# Altium PCB RX_test_01.PcbDoc (part 2 of 3) (continued)
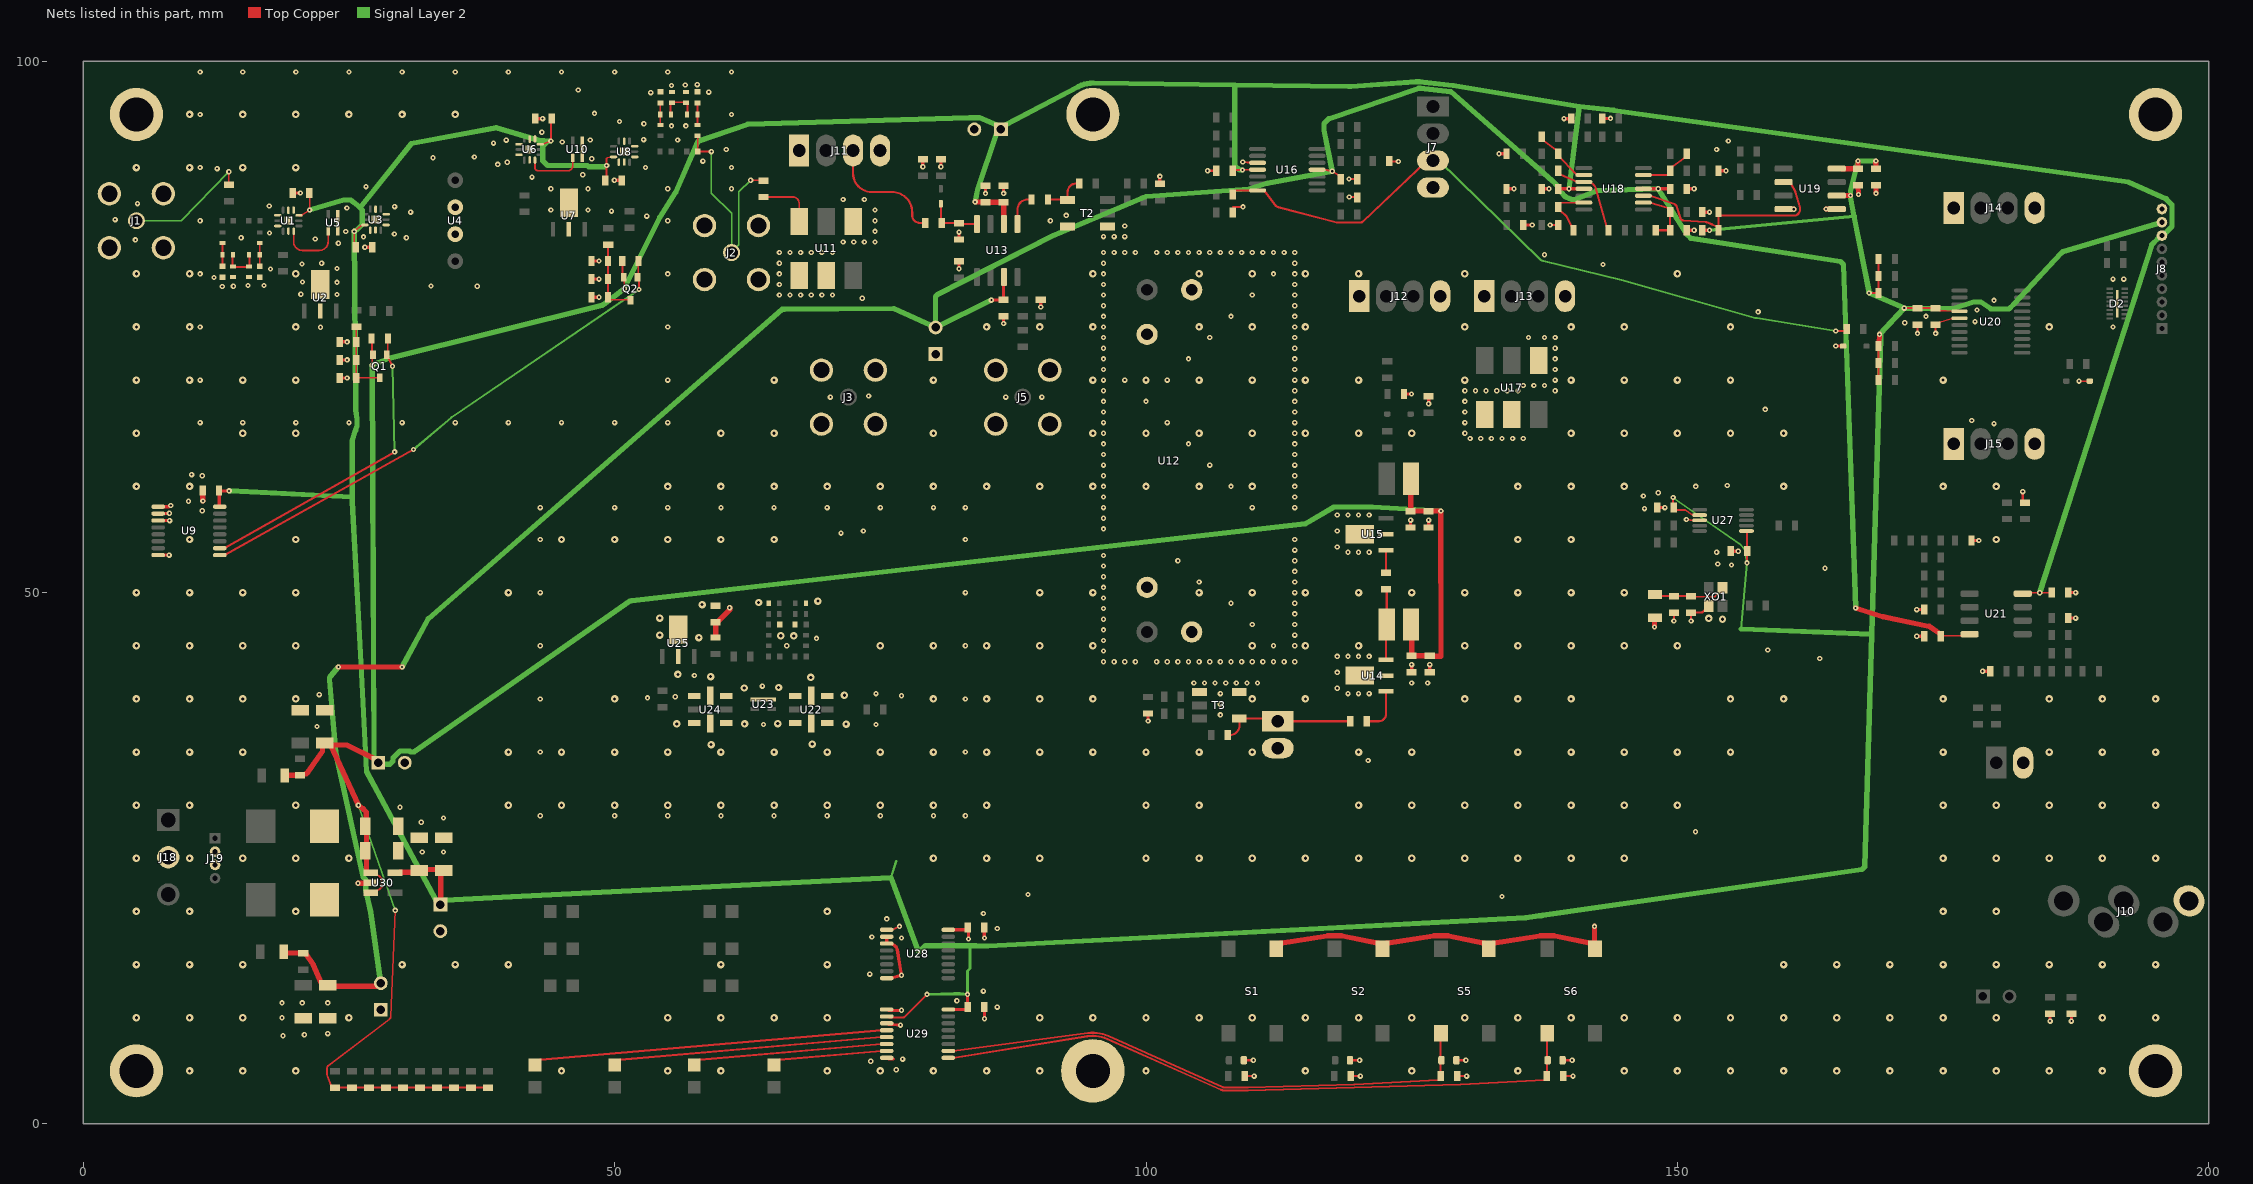
[diagram p4: the nets of this part, all layers, seen from the top]
## Part data (continued)
U30: "IC REG LINEAR 200MA SOT23-5", Current - Output=200mA, Manufacturer=STMicroelectronics, Operating Temperature="-40°C ~ 125°C (TJ)", Package / Case="SC-74A, SOT-753", Supplier Device Package=SOT-23-5, Supplier Part Number 1=511-LDK320M33R, Voltage - Input (Max)=18V, Voltage - Output (Min/Fixed)=3.3V, Voltage Dropout (Max)="0.35V @ 200mA", Category="Integrated Circuits (ICs)", ComponentLink1Description=http://www.st.com/content/ccc/resource/technical/document/datasheet/0e/0c/26/c9/a4/d4/4b/a1/DM00236470.pdf/files/DM00236470.pdf/jcr:content/translations/en.DM00236470.pdf, ComponentLink1URL=http://www.st.com/content/ccc/resource/technical/document/datasheet/0e/0c/26/c9/a4/d4/4b/a1/DM00236470.pdf/files/DM00236470.pdf/jcr:content/translations/en.DM00236470.pdf, Control Features=Enable, Manufacturer Part Number=LDK320M33R, Mounting Type="Surface Mount", Output Configuration=Positive, Output Type=Fixed, Packaging="Cut Tape (CT)", Part Status=Active, Pricing 1="1=0.85, 10=0.748, 100=0.5733, 500=0.4532, 1000=0.36256 (USD)", Protection Features="Over Current, Over Temperature", PSRR="88dB (120Hz)", RoHS="RoHS Compliant", Stock 1=5592, Supplier 1=Mouser, Supplier 2=Farnell, Supplier 3=Digi-Key, Supplier Part Number 2=3130011, Supplier Part Number 3=497-17034-1-ND
XO1: "Oscillator XO 25MHz ±50ppm 15pF CMOS 55% 1.8V/2.5V/3.3V 4-Pin SMD T/R", Freq=25MHz, Manufacturer=Epson, Supplier Part Number 1=732-CG25M-TJHPA3, ComponentLink1Description=http://datasheet.octopart.com/SG-8018CG-25.0000M-TJHPA3-Epson-datasheet-137868109.pdf?src-supplier=Future+Electronics, ComponentLink1URL=http://datasheet.octopart.com/SG-8018CG-25.0000M-TJHPA3-Epson-datasheet-137868109.pdf?src-supplier=Future+Electronics, Manufacturer Part Number="SG-8018CG 25.0000M-TJHPA3", Pricing 1="1=1,11000, 10=1,03000, 100=0,88700, 250=0,88700, 500=0,78900, 1000=0,72700 (USD)", Stock 1=221, Supplier 1=Mouser, Supplier 2=Arrow, Supplier 3="Future Electronics", Supplier Part Number 2="SG-8018CG 25.0000M-TJHPA3", Supplier Part Number 3="SG-8018CG 25.0000M-TJHPA3-REEL"

## Free pads (board coordinates)
  round 5 hole 3.2 mask+0.05: 0(5,5) 1(195,5) 2(95,95) 2(195,95) 3(5,95)
  round 6 hole 3.2 mask+0.05: 1(95,5)

## Via types
v1: diameter 0.5, hole 0.2, Top Copper to Bottom Copper, 605 vias
v2: diameter 0.7, hole 0.3, Top Copper to Bottom Copper, 330 vias

## Nets (pads, with @x,y where several pads share a name; then routed paths per layer and width w, separated by ;. In a path a pad name is that pad's centre, name@x,y a point inside that pad or via, vN(x,y) a via of type N, cw(c..) or ccw(c..) an arc to the next point about the centre after c; other vN are vias at no path point)
"3V3 HALF": R44.1 R46.2 U18.10 U19.2 | length 21.7
  Top Copper w0.2: U18.10@146.8,87.35 147.4,87.35 149.722,86.559 cw(c149.625,86.275) 149.91,86.37 150.29,85.23 ccw(c150.575,85.325) 150.553,85.026 152.647,84.874 cw(c152.625,84.575) 152.73,84.856 153.237,84.665 cw(c153.025,84.1) 153.267,84.653 153.675,84.475 R44.1@153.875,84.1 R46.2@153.875,85.8 154.075,85.471 160.95,85.471 ccw(c160.95,86.075) 161.531,86.24 161.133,87.638 ccw(c160.7,87.515) 161.099,87.724 160.7,88.485 U19.2@160,88.635
+3V3: C21.2 C22.2 C23.2 C24.2 C25.2 C48.2 C49.2 C58.2 C59.2 C97.2 C98.2 C101.2 C102.2 C103.1 C106.2 C107.2 F1.2 J8.9 R44.2 R47.1 R48.1 R49.1 R50.2 R51.2 R52.2 S1.4 S2.4 S5.4 S6.4 U1.6 U3.6 U6.6 U8.6 U9.16 U19.6 U19.8 U20.4 U27.1 U27.7 U28.1 U28.16 U29.2 U29.16 U30.5 | length 499.5
  Top Copper w0.165: U1.6@20.3,85.5 20.525,85.5 v1(21.3,86) 21.3,87.207 C22.2@21.275,87.6 ; C23.2@25.65,82.5 25.5,82.893 v1(25.5,84) 26.275,84.6 U3.6@26.5,84.6 ; U6.6@43,92.2 43.225,92.2 v1(44,92.5) 44,94.207 C24.2@44.075,94.6 ; C25.2@49.125,88.8 49.243,89.193 v1(49.243,90.2) 49.243,90.844 49.326,90.927 49.675,91 U8.6@49.9,91 ; v1(149.6,58.95) 149.6,58.393 C97.2@149.675,58 149.893,57.782 150.727,57.782 151.386,57.343 151.575,57.3 U27.7@152.1,57.3 ; U27.1@156.5,55.8 156.56,55.8 156.56,54.293 C98.2@156.575,53.9 156.55,53.507 v1(156.55,52.8) ; v1(168.05,78.2) 168.707,78.2 R49.1@168.925,78.2 R48.1@168.925,79.8 R47.1@168.925,81.4 ; R50.2@168.925,70 R51.2@168.925,71.6 R52.2@168.925,73.2 ; v1(171.35,76.775) C59.2@172.6,76.775 C58.2@174.3,76.775 174.693,76.557 175.95,76.475 U20.4@176.55,76.475
  Top Copper w0.2: U28.1@75.6,18.275 76.05,18.275 v1(76.8,18.6) ; U29.2@75.8,10.025 77.142,10.025 ccw(c77.142,10.225) 77.283,10.083 v1(79.4,12.2)
  Top Copper w0.3: U9.16@12.85,58.085 12.791,58.085 12.791,59.275 C21.2@12.775,59.6 12.925,59.575 v1(13.725,59.575) ; U29.16@81.4,10.775 C102.2@83.075,10.775 ; U28.16@81.4,18.275 83.075,18.275 C101.2@83.225,18.5 83.3,18.175 v1(83.3,17.4) ; v1(83.2,12.2) 83.213,12.188 83.213,11.006 83.207,11 83.207,10.765 C102.2@83.225,11 ; R44.2@152.325,84.1 v1(153.025,84.1)
  Top Copper w0.5: U30.5@29.35,23.65 29.8,23.7 31.025,23.7 31.563,23.934 31.6,23.95 33.9,23.95 33.85,23.903 33.636,23.7 33.636,21.05 C103.1@33.6,20.65 ; S1.4@112.25,16.475 112.65,17 117.03,17.694 cw(c117.1,17.25) 117.1,17.7 118.4,17.7 cw(c118.4,17.25) 118.491,17.691 121.85,17 S2.4@122.25,16.475 122.65,17 127.03,17.694 cw(c127.1,17.25) 127.1,17.7 128.4,17.7 cw(c128.4,17.25) 128.491,17.691 131.85,17 S5.4@132.25,16.475 132.65,17 137.03,17.694 cw(c137.1,17.25) 137.1,17.7 138.4,17.7 cw(c138.4,17.25) 138.491,17.691 141.85,17 S6.4@142.25,16.475 142.2,17 v1(142.2,18.6) ; v1(147.85,46.775) 147.85,47.6 F1.2@147.9,47.65 ; U19.6@165.125,87.365 165.5,87.375 v1(166.3,87.375) ; U19.8@165.125,89.905 165.5,89.879 166.775,89.879 C49.2@167,89.875 v1(167,90.625) ; v1(168.675,90.625) C48.2@168.7,89.875 ; R52.2@168.925,73.2 168.975,73.425 v1(169.025,74.3)
  Signal Layer 2 w0.165: v1(149.6,58.95) 155.968,54.486 156.311,54.143 v1(156.55,52.8) 156,46.571
  Signal Layer 2 w0.2: 76.003,23.186 76.5,24.725
  Signal Layer 2 w0.3: v1(79.4,12.2) 81.929,12.254 82.471,12.254 v1(83.2,12.2) 83.2,14.397 83.439,14.636 83.439,16.779 ; v1(153.025,84.1) 166.634,85.417
  Signal Layer 2 w0.5: v1(13.725,59.575) 25.299,59 ; v1(21.3,86) 24.488,86.954 25.112,86.954 25.812,86.454 26.033,86.233 ; v1(49.243,90.2) 49.114,90.071 47.538,90.071 47.418,90.191 43.689,90.191 43.246,90.634 43.246,92.012 43.688,92.454 v1(44,92.5) 42.838,92.571 38.856,93.749 30.862,92.26 26.033,86.233 ; 78.588,16.204 76.003,23.186 40.296,21.37 34,21.05 C103.1@33.6,20.65 33.2,21.05 27.681,31.256 26.65,33.164 26.129,43.362 25.299,58.585 25.299,59 ; 78.746,16.262 79.262,16.779 83.439,16.779 83.978,16.779 84.488,16.746 85.112,16.746 135.723,19.403 137.005,19.587 137.192,19.592 137.298,19.624 137.333,19.634 167.364,23.941 167.622,24.199 168.285,46.074 ; 156,46.571 168.285,46.074 ; v1(166.3,87.375) v1@166.296,87.375 ; v1(168.675,90.625) v1(167,90.625) 166.296,87.768 v1@166.296,87.375 ; J8.9@195.6,84.85 186.261,82.075 186.157,81.975 181.654,77.138 181.212,76.696 180.588,76.696 179.5,76.705 178.512,77.354 177.888,77.354 175.969,76.736 v1(171.35,76.775) ; 25.299,59 25.299,64.275 25.627,65.294 25.754,65.688 25.754,66.312 25.632,67.176 v1(25.5,84) 25.812,84.192 26.254,84.634 26.254,86.012 26.033,86.233 ; v1@166.296,87.375 166.296,87.143 166.634,85.417 v1(168.05,78.2) v1(171.35,76.775) ; 168.285,46.074 169.131,73.977 169.131,74.191 v1(169.025,74.3) v1(171.35,76.775)
"+3V3 CLK": C71.2 C72.2 F1.1 XO1.4 | length 6.8
  Top Copper w0.165: F1.1@147.9,49.825 148.05,49.675 C71.2@149.7,49.675 C72.2@151.3,49.675 151.357,49.618 153.517,49.618 153.882,49.982 XO1.4@154.25,50.45
+5V: C26.2 C27.2 C39.1 C41.2 C43.2 C45.2 C46.2 C69.2 C74.2 C104.2 C105.2 C108.2 C113.2 C114.2 C115.1 F3.2 J8.8 L11.1 L12.1 L13.1 Q1.2 Q2.2 R1.1 R4.1 R75.2 R76.2 R77.2 R78.2 R82.1 R83.1 R85.1 R86.1 R87.1 R88.1 R91.2 U13.6 U16.4 U18.4 U21.8 U30.1 U30.3 | length 506.6
  Top Copper w0.165: R1.1@27.125,73.9 27.157,73.507 27.157,72.693 Q1.2@27.25,72.375 27.2,72.057 v1(27.2,71.4) ; v1(29.35,20.1) 28.932,10.088 cw(c28.65,10.1) 28.821,9.875 23.054,5.5 ccw(c23.225,5.275) 22.943,5.275 22.943,4.675 ccw(c23.225,4.675) 22.96,4.578 23.307,3.643 R82.1@23.7,3.425 R85.1@25.3,3.425 R87.1@26.9,3.425 R83.1@28.5,3.425 R86.1@30.1,3.425 R88.1@31.7,3.425 R78.2@33.3,3.425 R77.2@34.9,3.425 R76.2@36.5,3.425 R75.2@38.1,3.425 ; R4.1@50.7,81.2 50.739,80.807 50.739,79.993 Q2.2@50.85,79.675 50.9,79.357 v1(50.9,78.6) ; U21.8@182.5,49.905 183.2,49.992 v1(184.104,49.992) 185.007,49.992 C69.2@185.225,50
  Top Copper w0.2: U30.3@27.05,21.75 27.65,21.95 27.874,22.1 28.05,22.276 28.05,23.124 27.874,23.3 27.65,23.45 U30.1@27.05,23.65 ; C43.2@108.175,89.7 108.375,89.775 v1(109.075,89.775) 109.9,89.8 U16.4@110.5,89.8
  Top Copper w0.3: C46.2@138.775,88 v1(139.8,88) U18.4@141.2,88
  Top Copper w0.5: F3.2@18.95,32.8 19.1,32.821 20.175,32.821 R91.2@20.4,32.825 20.434,32.832 20.857,32.927 21,32.958 21.135,33.093 22.51,35.085 22.51,35.7 22.7,35.95 C108.2@23.275,35.7 ; U30.1@27.05,23.65 26.65,23.7 26.65,28 26.625,28.575 26.625,29.357 26.332,29.65 v1(25.888,29.999) C108.2@23.275,35.7 ; C115.1@27.75,34 27.35,34.4 24.801,35.662 C108.2@23.275,35.7 ; L13.1@59.5,45.775 C74.2@59.5,47.225 59.675,47.225 60.825,48.375 v1(60.825,48.575) ; v1(83.925,86.775) C45.2@84.9,86.725 C41.2@86.6,86.725 86.601,86.675 86.601,85.3 U13.6@86.635,84.7 ; L11.1@124.943,47 124.999,45.725 124.999,44.125 C26.2@125,44.075 C113.2@126.7,44.075 126.925,44.025 127.75,44.025 ; L12.1@124.943,60.7 124.901,59.425 124.901,57.725 C27.2@124.9,57.675 C114.2@126.6,57.675 v1(127.75,57.675) 127.766,44.025
  Signal Layer 2 w0.165: v1(25.888,29.999) v1(29.35,20.1)
  Signal Layer 2 w0.5: 30.795,35.011 30.706,35.1 29.794,35.1 29.15,34.456 29.15,34.141 28.857,33.849 28.606,33.849 28.563,33.856 C115.1@27.75,34 27.35,34.4 27.242,60.925 v1(27.2,71.4) 28.788,72.054 48.837,77.046 48.916,77.105 v1(50.9,78.6) 54.246,85.312 55.754,87.688 57.858,92.474 62.504,94.061 83.394,94.7 84.306,94.7 85.95,94 C39.1@86.35,93.6 ; 30.99,35.011 31.148,35.011 51.459,49.217 51.585,49.231 69.459,51.275 115.002,56.483 117.688,58.054 121.312,58.054 v1(127.75,57.675) ; v1(83.925,86.775) 84.146,87.887 85.95,93.2 C39.1@86.35,93.6 ; v1(109.075,89.775) 108.792,89.774 108.35,90.216 108.349,97.77 ; v1(139.8,88) 140.772,95.751 ; v1(184.104,49.992) 194.65,82.744 195.206,83.3 J8.8@195.6,83.6 195.994,83.9 196.55,84.456 196.55,86.494 195.994,87.05 192.442,88.645 144.012,95.379 140.772,95.751 ; C39.1@86.35,93.6 86.75,94 93.629,97.612 cw(c95,95) 95.04,97.95 108.349,97.77 ; 108.349,97.77 119.051,97.625 119.261,97.625 125.431,98.064 125.708,98.064 128.908,97.729 140.772,95.751
-5V: C40.2 C42.2 C44.2 C47.2 C70.2 C109.2 C116.2 F4.2 R92.2 U13.3 U16.11 U18.11 U21.4 | length 273.5
  Top Copper w0.165: C70.2@174.775,45.9 174.993,45.945 176.8,45.945 U21.4@177.5,46.095
  Top Copper w0.2: U16.11@116.1,89.8 116.7,89.8 v1(117.525,89.65) 118.125,89.275 C44.2@118.325,88.9
  Top Copper w0.3: v1(85.45,77.525) 86.275,77.525 C42.2@86.6,77.575 86.602,77.725 86.602,79 U13.3@86.635,79.7 ; U18.11@146.8,88 v1(148.2,88) C47.2@149.325,88
  Top Copper w0.5: F4.2@18.85,16.2 19,16.09 20.475,16.09 R92.2@20.7,16.075 20.925,16.025 21.625,15.011 22.425,13.2 23,12.95 27.7,12.95 ccw(c27.7,13.25) C116.2@28,13.25 ; v1(24,43) v1(30,43) ; v1(166.775,48.55) 169.375,47.725 173.711,46.825 174.725,46.125 C70.2@174.775,45.9
  Signal Layer 2 w0.5: v1(24,43) 23.29,42.158 23.173,42.018 23.173,41.836 23.173,41.815 23.756,34.97 23.758,34.937 26.312,23.254 26.604,22.962 26.604,22.338 26.566,22.3 26.566,22.093 27.041,19.92 27.044,19.902 C116.2@28,13.25 ; v1(30,43) 32.469,47.536 65.769,76.67 65.955,76.671 76.25,76.73 C40.2@80.2,74.95 ; v1(85.45,77.525) C40.2@80.2,74.95 ; v1(166.775,48.55) 165.639,80.881 165.353,81.166 151.263,83.346 150.821,83.788 v1(148.2,88) 142.363,87.804 140.368,86.99 140.063,86.99 139.488,87.246 139.046,87.688 138.679,88.312 138.237,88.754 128.686,97.14 125.793,97.462 125.651,97.451 117.188,94.579 116.746,94.137 116.746,93.513 v1(117.525,89.65) 111.438,88.529 109.709,87.984 100.001,87.278 91.184,83.554 80.383,78.045 80.2,77.852 C40.2@80.2,74.95
"ATT 10dB 1": U1.3 U5.1 | length 6.1
  Top Copper w0.165: U1.3@19.8,84 19.8,83 ccw(c20.6,83) 20.6,82.2 22.2,82.2 ccw(c22.2,83.05) 23.05,83.05 U5.1@23.05,84
"ATT 10dB 2": U6.3 U10.1 | length 5.4
  Top Copper w0.165: U6.3@42.5,90.7 42.5,90 ccw(c42.8,90) 42.8,89.7 45.6,89.7 ccw(c45.6,90.15) 46.05,90.15 U10.1@46.05,90.9
CHANNEL_01: D3.2 U29.7 | length 10.8
  Top Copper w0.2: D3.2@65,5.55 65.5,6.05 75.15,6.875 U29.7@75.6,6.875
CHANNEL_02: D19.2 U29.6 | length 18.4
  Top Copper w0.2: D19.2@57.5,5.55 58,6.05 75.15,7.525 U29.6@75.6,7.525
CHANNEL_04: D20.2 U29.5 | length 25.9
  Top Copper w0.2: D20.2@50,5.55 50.5,6.05 75.15,8.175 U29.5@75.6,8.175
CHANNEL_08: D21.2 U29.4 | length 33.4
  Top Copper w0.2: D21.2@42.5,5.55 43,6.05 75.15,8.825 U29.4@75.6,8.825
CHANNEL_DOWN: D23.1 R68.1 S6.1 U29.9 | length 61.8
  Top Copper w0.2: U29.9@81.4,6.225 81.85,6.225 94.475,8.258 cw(c95,5) 96.35,8.011 107.068,3.223 ccw(c107.425,4.025) 107.425,3.147 109.575,3.147 ccw(c109.575,4.025) 109.6,3.148 129.584,3.725 ccw(c129.575,4.025) 129.59,3.725 137.525,4.125 R68.1@137.725,4.5 137.75,4.875 S6.1@137.75,8.525
CHANNEL_UP: D22.1 R67.1 S5.1 U29.10 | length 51.8
  Top Copper w0.2: U29.10@81.4,6.875 81.85,6.875 94.528,8.558 cw(c95,5) 96.467,8.275 107.186,3.487 ccw(c107.425,4.025) 107.425,3.436 109.575,3.436 ccw(c109.575,4.025) 109.592,3.436 119.584,3.725 ccw(c119.575,4.025) 119.59,3.725 127.525,4.125 R67.1@127.725,4.5 127.725,7.85 S5.1@127.75,8.525
"DC FEEDBACK": R39.2 R45.1 U18.3 | length 8.3
  Top Copper w0.2: R39.2@138.775,89.7 138.975,89.325 140.6,88.65 141.8,88.65 142.119,88.385 cw(c141.8,88) 142.281,88.137 143.325,84.475 R45.1@143.525,84.1
"ENABLE AMP1": Q1.1 R1.2 U9.10 | length 29.6
  Top Copper w0.165: Q1.1@28.55,72.375 28.643,72.693 28.643,73.507 R1.2@28.675,73.9
  Top Copper w0.2: U9.10@12.85,54.185 13.3,54.185 v1(29.3,63.25) ; Q1.1@28.55,72.375 28.725,72.075 v1(29.1,71.3)
  Signal Layer 2 w0.2: v1(29.1,71.3) v1(29.3,63.25)
"ENABLE AMP2": Q2.1 R4.2 U9.9 | length 49.6
  Top Copper w0.165: Q2.1@52.15,79.675 52.224,79.993 52.224,80.807 R4.2@52.25,81.2
  Top Copper w0.2: U9.9@12.85,53.535 13.3,53.535 v1(31.075,63.475) ; Q2.1@52.15,79.675 52.3,79.375 v1(52.3,78.525)
  Signal Layer 2 w0.2: v1(31.075,63.475) 34.61,66.461 cw(c35,66) 34.66,66.499 v1(52.3,78.525)
"FB 1": R33.2 R34.1 U18.6 | length 5.3
  Top Copper w0.2: R34.1@140.225,84.1 140.025,84.475 139.604,85.334 ccw(c139.075,85.075) 139.452,85.527 138.975,85.925 R33.2@138.775,86.3 138.975,86.675 140.6,86.7 U18.6@141.2,86.7
"FB 2": R31.2 R32.1 U18.2 | length 5.6
  Top Copper w0.2: R32.1@137.225,92.9 137.425,92.525 138.575,91.675 R31.2@138.775,91.3 138.975,90.925 140.239,89.604 ccw(c140.6,89.95) 140.279,89.566 140.6,89.3 U18.2@141.2,89.3
"FB 3": R29.2 R30.1 U18.13 | length 5
  Top Copper w0.2: U18.13@146.8,89.3 147.4,89.3 149.125,89.325 R29.2@149.325,89.7 149.525,90.075 150.675,90.925 R30.1@150.875,91.3
"FB 4": C56.1 C57.2 R43.1 U18.9 | length 5.9
  Top Copper w0.2: U18.9@146.8,86.7 147.4,86.7 149.125,86.175 R43.1@149.325,85.8 C57.2@149.325,84.1 C56.1@147.975,84.1
"FILTER OUT": C30.1 J6.1 R93.2 T3.5 | length 12.9
  Top Copper w0.2: R93.2@107.675,36.6 107.89,36.6 ccw(c107.89,37.51) 108.8,37.51 108.8,38.12 T3.5@108.77,38.15 112.15,38.15 J6.1@112.4,37.9 C30.1@119.225,37.9
GND: C1.1 C2.1 C3.1 C9.2 C10.2 C11.1 C12.1 C13.1 C19.2 C20.2 C21.1 C22.1 C23.1 C24.1 C25.1 C26.1 C27.1 C34.1 C35.1 C38.1 C39.2 C40.1 C41.1 C42.1 C43.1 C44.1 C45.1 C46.1 C47.1 C48.1 C49.1 C50.1 C51.1 C52.1 C54.1 C55.1 C57.1 C58.1 C59.1 C65.1 C66.1 C68.1 C69.1 C70.1 C71.1 C72.1 C74.1 C79.2 C80.2 C97.1 C98.1 C101.1 C102.1 C103.2 C104.1 C105.1 C106.1 C107.1 C108.1 C109.1 C110.1 C111.1 C112.1 C113.1 C114.1 C115.2 C116.1 D2.17 D10.2 D11.2 D12.2 D13.1 D17.1 D18.1 D22.2 D23.2 J1.2 J2.2 J3.2 J5.2 J6.2 J7.4 J8.10 J9.2 J10.1 J11.1 J11.4 J12.1 J12.4 J13.1 J13.4 J14.1 J14.4 J15.1 J15.4 J18.2 J19.2 J19.3 L4.2 L5.1 L9.2 L10.1 L16.2 L17.1 pad.0 pad.1 pad.2 pad.3 R12.1 R13.1 R14.1 R17.2 R23.1 R28.1 R41.1 R42.1 R46.1 R60.1 R62.1 R64.1 R66.1 R67.2 R68.2 R89.2 R90.2 R95.1 R96.1 T2.3 T2.4 T3.3 T3.4 U1.2 U1.7 U1.8 U1.10 U1.12 U1.13 U2.2 U2.4 U3.2 U3.7 U3.8 U3.10 U3.12 U3.13 U4.2 U4.3 U5.3 U6.2 U6.7 U6.8 U6.10 U6.12 U6.13 U7.2 U7.4 U8.2 U8.7 U8.8 U8.10 U8.12 U8.13 U9.1 U9.2 U9.3 U9.8 U10.3 U11.1 U11.4 U11.5 U12.2 U12.3 U12.4 U12.5 U14.2 U14.4 U15.2 U15.4 U16.3 U17.1 U17.4 U17.5 U19.4 U19.5 U20.5 U22.1 U22.3 U22.4 U22.5 U22.7 U22.8 U23.3 U24.1 U24.3 U24.4 U24.5 U24.7 U24.8 U25.2 U25.4 U27.8 U28.2 U28.3 U28.8 U29.1 U29.3 U29.8 U30.2 XO1.2 | length 78.7
  Top Copper w0.165: v1(172.6,74.4) C59.1@172.6,75.225 ; v1(174.3,74.4) C58.1@174.3,75.225 174.693,75.443 175.95,75.825 U20.5@176.55,75.825 ; v1(187.8,69.9) D17.1@188.8,69.9
  Top Copper w0.2: v1(105.8,89.7) C43.1@106.625,89.7 ; 108.175,86.3 v1(109.125,86.3) ; v1(109.104,90.528) 109.9,90.45 U16.3@110.5,90.45 ; D10.2@109.2,6 v1(110.1,6) ; R89.2@109.275,4.5 v1(110.175,4.5) ; v1(119.1,88.925) 119.675,88.925 C44.1@119.875,88.9 ; v1(119.125,87.225) 119.675,87.225 R96.1@119.875,87.2 ; D11.2@119.2,6 v1(120.1,6) ; R90.2@119.275,4.5 v1(120.175,4.5) ; R23.1@122.875,90.6 123.075,90.575 v1(123.75,90.575) ; D22.2@129.2,6 v1(130.1,6) ; R67.2@129.275,4.5 v1(130.175,4.5) ; v1(138.025,84.6) 138.575,84.6 R42.1@138.775,84.6 ; D23.2@139.2,6 v1(140.1,6) ; R68.2@139.275,4.5 v1(140.175,4.5) ; v1(149.675,47.325) 149.675,48.1 C71.1@149.7,48.125 ; v1(150.85,56.886) 151.575,56.8 U27.8@152.1,56.8 ; v1(151.3,47.325) C72.1@151.3,48.125 152.325,48.125 152.5,48.3 152.6,48.3 152.95,48.65 XO1.2@152.95,48.75 ; v1(182.5,59.5) 182.5,58.675 R60.1@182.7,58.475
  Top Copper w0.3: U9.8@7.05,53.535 7.5,53.535 v1(8.075,53.525) ; U9.3@7.05,56.785 7.5,56.785 v1(8.125,56.775) ; U9.2@7.05,57.435 7.5,57.435 v1(8.1,57.475) ; U9.1@7.05,58.085 8.056,58.085 8.171,58.2 v1(8.225,58.2) ; C22.1@19.725,87.6 v1(20.425,87.6) ; C1.1@24.125,70.2 v1(24.825,70.2) ; C2.1@24.125,71.9 v1(24.825,71.9) ; C3.1@24.125,73.6 v1(24.825,73.6) ; v1(26.5,82.5) C23.1@27.2,82.5 ; C24.1@42.525,94.6 v1(43.225,94.6) ; C11.1@47.825,77.8 v1(48.525,77.8) ; C12.1@47.825,79.5 v1(48.525,79.5) ; C13.1@47.825,81.2 v1(48.525,81.2) ; v1(49.975,88.8) C25.1@50.675,88.8 ; U28.8@75.6,13.725 76.05,13.725 v1(77,14) 76.959,14.261 ccw(c76.663,14.215) 76.958,14.265 76.592,16.417 ccw(c76.05,16.325) 76.343,16.79 76.05,16.975 U28.3@75.6,16.975 U28.2@75.6,17.625 ; U29.8@75.8,6.125 76.25,6.125 ; U29.3@75.8,9.375 76.25,9.375 v1(76.9,9.3) ; U29.1@75.8,10.675 76.25,10.675 v1(77,10.7) ; v1(79,90.075) R95.1@79,90.775 ; v1(80.7,90.075) C112.1@80.7,90.775 ; v1(82.4,80.475) R14.1@82.4,81.175 ; R13.1@82.4,83.225 v1(82.4,83.925) ; C102.1@84.775,11 84.8,10.675 v1(84.8,9.9) ; C101.1@84.775,18.5 84.788,18.488 84.788,17.512 v1(84.8,17.5) ; v1(84.9,87.575) C45.1@84.9,88.275 ; v1(86.6,75.325) C42.1@86.6,76.025 ; v1(86.6,87.575) C41.1@86.6,88.275 ; v1(90.1,76.875) R28.1@90.1,77.575 ; v1(100.2,37.925) C35.1@100.2,38.625 ; C34.1@101.3,88.475 v1(101.3,89.175) ; R12.1@124.275,68.7 v1(124.975,68.7) ; C27.1@124.9,56.125 v1(124.9,56.825) ; C26.1@125,42.525 v1(125,43.225) ; C114.1@126.6,56.125 v1(126.6,56.825) ; v1(126.6,67.775) C38.1@126.6,68.475 ; C113.1@126.7,42.525 v1(126.7,43.225) ; v1(133.225,91.3) C51.1@133.925,91.3 ; C52.1@133.925,88 v1(134.625,88) ; R41.1@135.5,84.6 v1(136.35,84.6) ; C46.1@137.225,88 v1(137.925,88) ; v1(139.325,94.6) C54.1@140.025,94.6 ; C55.1@142.925,94.6 142.95,94.625 v1(143.7,94.625) ; C97.1@148.125,58 v1(148.825,58) ; C57.1@150.875,84.1 v1(151.575,84.1) ; C47.1@150.875,88 v1(151.575,88) ; R46.1@152.325,85.8 v1(153.025,85.8) ; C50.1@153.875,89.7 v1(154.575,89.7) ; C98.1@155.025,53.9 v1(155.725,53.9) ; v1(164.9,73.2) D18.1@165.6,73.2 ; v1(172.525,45.9) C70.1@173.225,45.9 ; v1(172.525,48.4) R62.1@173.225,48.4 ; C65.1@177.675,54.9 v1(178.375,54.9) ; v1(178.725,42.6) C66.1@179.425,42.6 ; v1(185.075,9.675) R66.1@185.075,10.375 ; R64.1@186.775,47.6 v1(187.475,47.6) ; C69.1@186.775,50 v1(187.475,50) ; v1(187.075,9.675) C68.1@187.075,10.375
  Top Copper w0.5: C21.1@11.225,59.6 v1(11.25,58.625) ; v1(25.85,22.65) 26.6,22.65 U30.2@27.05,22.7 ; U19.4@159.875,86.095 160.25,86.075 v1(160.95,86.075) ; v1(164,86.1) 164.75,86.1 U19.5@165.125,86.095 ; C49.1@167,88.325 v1(167.05,87.456) ; v1(168.7,87.575) C48.1@168.7,88.325
  other v1: 76.5,5.1 74.1,5.9 77.1,6.1 18.8,8.3 20.8,8.4 23,8.5 18.7,10 86,11 18.7,11.4 20.6,11.4 23,11.4 82.2,11.6 84.7,12.5 74,14.1 77,17.5 74.2,17.6 86,18.4 75.6,19.3 84.7,19.8 133.5,21.4 88.9,21.6 31.9,25.6 33.9,25.6 151.7,27.5 31.8,28.4 33.9,28.8 43,29 50,29 55,29 60,29 65,29 70,29 75,29 80,29 83,29 29.8,29.8 120.9,34.2 43,35 83,35 22,37.4 64,37.6 74.6,37.6 107,38.5 107,39.5 43,40 83,40 53.1,40.1 55.7,40.2 77,40.3 22.2,40.4 74.6,40.5 107,40.5 119,40.5 120,40.5 121,40.5 118,41 63.9,41.2 104.5,41.5 105.5,41.5 106.5,41.5 107.5,41.5 108.5,41.5 109.5,41.5 110.5,41.5 125,41.5 126.5,41.5 57.5,42.2 118,42.5 96,43.5 97,43.5 98,43.5 99,43.5 101,43.5 102,43.5 103,43.5 104,43.5 105,43.5 106,43.5 107,43.5 108,43.5 109,43.5 110,43.5 111,43.5 112,43.5 113,43.5 114,43.5 163.4,43.8 118,44 119,44 120,44 121,44 96,44.5 158.5,44.6 43,45 66.2,45 83,45 112,45 114,45 96,45.5 69,45.7 114,46 96,46.5 110,47 114,47 96,47.5 114,48 96,48.5 108,49 114,49 96,49.5 43,50 83,50 114,50 96,50.5 105,51 114,51 96,51.5 114,52 163.9,52.3 96,52.5 155.1,52.6 153.8,52.7 103,53 114,53 96,53.5 119,53.8 120,53.8 121,53.8 153.7,53.8 114,54 118,54.3 43,55 83,55 114,55 71.3,55.6 73.4,55.8 118,55.8 96,56 96,57 118,57.3 119,57.3 120,57.3 121,57.3 11.2,57.7 146.9,57.9 43,58 50,58 55,58 60,58 65,58 70,58 75,58 80,58 83,58 96,58 110,58 114,58 9.9,58.6 96,59 114,59 146.8,59.1 148.2,59.4 96,60 108,60 114,60 151.725,60 154.7,60.075 11.2,61 96,61 114,61 10.2,61.1 96,62 106,62 114,62 96,63 114,63 96,64 104,64 114,64 130.5,64.5 131.5,64.5 132.5,64.5 133.5,64.5 134.5,64.5 135.5,64.5 96,65 114,65 130,65 179.8,65.9 11,66 15,66 20,66 25,66 30,66 35,66 40,66 45,66 50,66 55,66 96,66 102,66 114,66 130,66 177.7,66.2 96,67 114,67 130,67 158.275,67.25 96,68 100,68 114,68 130,68 70.3,68.4 86.8,68.4 90.2,68.4 73.9,68.5 96,69 114,69 130,69 131,69 132,69 133,69 134,69 135,69 138.5,69 135.5,69.5 136.5,69.5 137.5,69.5 11,70 55,70 96,70 98,70 102,70 114,70 138.5,70 96,71 114,71 138.5,71 96,72 104,72 114,72 138.5,72 96,73 114,73 138.5,73 96,74 106,74 114,74 136,74 137.5,74 138.5,74 22.325,74.975 11,75 55,75 96,75 114,75 191,75 171.4,75.4 178,75.5 96,76 108,76 114,76 173.4,76 157.6,76.425 178.2,76.6 96,77 114,77 179.8,77.5 73.3,77.7 65.5,78 66.5,78 67.5,78 68.5,78 69.5,78 70.5,78 96,78 110,78 114,78 23.875,78.05 20.475,78.075 13.075,78.8 14.125,78.825 37.075,78.825 32.725,78.85 15.5,78.9 17,78.9 65.5,79 96,79 114,79 23.875,79.2 20.625,79.225 191,79.5 192,79.5 12.3,79.65 11,80 55,80 65.5,80 96,80 112,80 114,80 17.625,80.45 23.875,80.5 143,80.875 20.575,80.925 22.425,81 65.5,81 96,81 114,81 137.5,81.8 65.5,82 66.5,82 67.5,82 68.5,82 69.5,82 70.5,82 96,82 97,82 98,82 99,82 101,82 102,82 103,82 104,82 105,82 106,82 107,82 108,82 109,82 110,82 111,82 112,82 113,82 114,82 24,82.875 71.5,83 72.5,83 73.5,83 74.5,83 4.9,83.2 21.825,83.275 14.85,83.4 30.4,83.4 26.375,83.475 96,83.5 97,83.5 98,83.5 29.275,83.75 17.525,83.85 24.7,83.975 74.5,84 98,84.5 11,85 55,85 74.5,85 91,85 3,85.1 53.025,85.425 92.5,85.5 30.8,85.8 49.7,85.9 44,86 47.5,86 74.5,86 24.8,86.2 29.3,86.325 17.5,86.375 5.1,86.6 71.5,87 73.5,87 44,88 47.5,88 55,88 61,88 26.6,88.2 42.225,89.1 47,89.325 12.6,89.9 11,90 52.9,90 61,90 39,90.3 39.9,90.5 58.3,90.6 47.85,90.825 32.9,90.925 36.8,91 60.5,91.7 153.7,91.7 38.6,92.3 45.075,92.4 154.8,92.5 39.8,92.575 47.7,92.6 55.925,92.6 52.725,92.625 43.15,93.325 55.35,93.925 56.7,93.925 52.75,94.125 50.45,94.325 11,95 61,95 48.1,95.1 53.4,97.05 58.85,97.1 46.575,97.3 55.35,97.725 56.65,97.775 57.775,97.8 11,99 15,99 20,99 25,99 30,99 35,99 40,99 45,99 50,99 55,99 61,99
  other v2: 10,5 15,5 20,5 45,5 55,5 60,5 70,5 75,5 80,5 85,5 90,5 100,5 115,5 125,5 135,5 145,5 150,5 155,5 160,5 165,5 170,5 175,5 180,5 185,5 190,5 5,10 10,10 15,10 25,10 55,10 60,10 65,10 70,10 90,10 95,10 100,10 105,10 110,10 115,10 120,10 125,10 130,10 135,10 140,10 145,10 150,10 155,10 160,10 165,10 170,10 175,10 180,10 190,10 195,10 5,15 10,15 15,15 30,15 35,15 40,15 60,15 70,15 160,15 165,15 170,15 175,15 180,15 185,15 190,15 195,15 5,20 10,20 20,20 70,20 175,20 180,20 5,25 10,25 15,25 20,25 25,25 80,25 85,25 90,25 100,25 105,25 110,25 115,25 120,25 125,25 130,25 135,25 140,25 145,25 175,25 180,25 185,25 190,25 195,25 5,30 10,30 20,30 40,30 45,30 50,30 55,30 60,30 65,30 70,30 75,30 80,30 85,30 100,30 105,30 120,30 125,30 130,30 135,30 140,30 145,30 150,30 175,30 180,30 185,30 190,30 195,30 5,35 10,35 15,35 40,35 45,35 50,35 55,35 60,35 65,35 70,35 75,35 80,35 85,35 90,35 95,35 100,35 105,35 110,35 120,35 125,35 135,35 140,35 145,35 150,35 155,35 175,35 185,35 190,35 195,35 59.075,35.7 68.6,35.75 71.775,37.625 55.85,37.65 62.225,37.65 65.35,37.675 5,40 10,40 15,40 20,40 50,40 80,40 85,40 90,40 95,40 110,40 115,40 130,40 135,40 140,40 155,40 160,40 175,40 185,40 190,40 195,40 71.625,40.35 62.2,41.025 65.425,41.075 68.45,42.025 59.025,42.1 55.95,42.3 5,45 10,45 15,45 20,45 75,45 80,45 85,45 90,45 95,45 110,45 115,45 120,45 130,45 135,45 140,45 145,45 150,45 57.925,45.775 66.85,45.925 65.625,45.95 54.25,46 154.25,47.5 152.95,47.575 54.25,47.6 58.225,48.875 63.55,49.075 69.125,49.2 5,50 10,50 15,50 20,50 40,50 90,50 95,50 105,50 110,50 115,50 120,50 125,50 130,50 135,50 140,50 145,50 10,55 20,55 45,55 50,55 55,55 60,55 65,55 135,55 140,55 180,55 5,60 10,60 55,60 60,60 65,60 70,60 75,60 80,60 85,60 90,60 95,60 100,60 105,60 110,60 135,60 140,60 145,60 160,60 175,60 180,60 5,65 15,65 20,65 60,65 65,65 80,65 95,65 100,65 105,65 110,65 115,65 120,65 125,65 140,65 145,65 150,65 155,65 160,65 5,70 10,70 15,70 20,70 65,70 80,70 95,70 100,70 105,70 110,70 115,70 120,70 130,70 140,70 145,70 150,70 155,70 175,70 5,75 10,75 20,75 85,75 90,75 95,75 105,75 110,75 115,75 130,75 140,75 145,75 155,75 185,75 5,80 10,80 20,80 95,80 105,80 110,80 115,80 120,80 130,80 150,80 5,90 10,90 15,90 20,90 10,95 15,95 20,95 25,95 30,95 35,95
LEVEL: J7.3 R16.1 R94.1 U16.7 | length 66.5
  Top Copper w0.2: R16.1@108.175,87.475 108.375,87.85 109.9,87.85 U16.7@110.498,87.815 ; U16.7@110.5,87.85 111.1,87.85 112.145,86.483 ccw(c112.625,86.85) 112.474,86.265 117.949,84.835 ccw(c118.025,85.125) 118.025,84.825 120.175,84.825 ccw(c120.175,85.125) 120.381,84.907 126.45,90.66 J7.3@127.55,90.66 ; v1(164.9,74.625) 165.725,74.625 R94.1@165.925,74.8
  Signal Layer 2 w0.2: J7.3@127,90.66 127.55,90.66 137.078,81.368 ccw(c137.5,81.8) 137.343,81.217 137.421,81.196 144.75,79.404 157.33,75.841 157.445,75.841 ccw(c157.6,76.425) 157.503,75.829 v1(164.9,74.625)
NetC1_2: C1.2 C2.2 C3.2 L1.1 Q1.3 | length 7.1
  Top Copper w0.165: L1.1@25.7,75.025 25.682,74.807 25.682,73.993 C3.2@25.675,73.6 C2.2@25.675,71.9 C1.2@25.675,70.2 25.893,70.223 27.707,70.223 Q1.3@27.9,70.225
NetC6_1: C6.1 J1.1 | length 11.9
  Top Copper w0.165: C6.1@13.7,88.375 v1(13.7,89.6)
  Signal Layer 2 w0.134: J1.1@5,85 9.2,85 v1(13.7,89.6)
NetC7_1: C7.1 L4.1 R2.1 | length 2.3
  Top Copper w0.165: L4.1@13.1,80.725 13.1,81.75 13.15,81.8 13.1,81.85 C7.1@13.1,82.95
NetC8_1: C8.1 L5.2 R3.2 | length 2.3
  Top Copper w0.165: L5.2@16.6,80.725 16.6,81.75 16.55,81.8 16.6,81.85 C8.1@16.6,82.95
NetC9_1: C9.1 C10.1 R2.2 R3.1 | length 5
  Top Copper w0.165: R2.2@14.05,81.8 14.05,80.7 14.1,80.65 C9.1@15.6,80.65 ; C9.1@15.6,80.65 C9.1@15.65,80.7 ; C9.1@15.6,80.65 C9.1@15.65,80.7 ; C9.1@15.65,80.7 15.65,81.8 C9.1@15.65,80.7
NetC11_2: C11.2 C12.2 C13.2 L6.1 Q2.3 | length 7.2
  Top Copper w0.165: L6.1@49.4,82.725 49.377,82.507 49.377,78.193 C11.2@49.375,77.8 49.593,77.55 51.307,77.55 Q2.3@51.5,77.525
NetC16_1: C16.1 C18.2 J2.1 L8.2 | length 21.9
  Top Copper w0.165: C18.2@57.8,93.05 57.825,93.025 L8.2@57.825,91.5 v1(59.1,91.5) ; v1(62.8,88.8) 63.975,88.8 C16.1@64,88.775
  Signal Layer 2 w0.134: v1(59.1,91.5) 59.1,87.6 61,85.7 J2.1@61,82.017 ; J2.1@61,82 J2.1@61,82.017 ; v1(62.8,88.8) 61.7,87.7 61.7,82.717 J2.1@61,82.017
NetC16_2: C16.2 U11.3 | length 5.4
  Top Copper w0.165: C16.2@64,87.225 66.775,87.225 cw(c66.775,86.64) 67.36,86.64 U11.3@67.36,84.94
NetC17_1: C17.1 L9.1 R5.1 | length 2.2
  Top Copper w0.165: C17.1@54.3,93.95 54.3,94.95 54.35,95 54.3,95.05 L9.1@54.3,96.075
NetC18_1: C18.1 L10.2 R6.2 | length 2.2
  Top Copper w0.165: C18.1@57.8,93.95 57.8,94.95 57.75,95 57.8,95.05 L10.2@57.8,96.075
NetC19_1: C19.1 C20.1 R5.2 R6.1 | length 4
  Top Copper w0.165: R5.2@55.25,95 55.25,96.032 55.368,96.15 55.4,96.15 56.7,96.15 56.732,96.15 56.85,96.032 56.85,95 R6.1@56.7,95.15
NetC28_1: C28.1 J11.3 | length 11.7
  Top Copper w0.2: J11.3@72.44,91.6 72.44,89.46 ccw(c74.2,89.46) 74.2,87.7 76.1,87.7 cw(c76.1,85.8) 76.858,87.542 cw(c76.1,85.8) 77.842,86.558 cw(c76.1,85.8) 78,85.8 78,85.5 ccw(c78.7,85.5) 78.7,84.8 C28.1@79.225,84.8
NetC28_2: C28.2 D16.2 R13.2 U13.8 | length 5.2
  Top Copper w0.2: D16.2@80.7,86.6 80.7,84.875 C28.2@80.775,84.8 82.375,84.8 R13.2@82.4,84.775 82.475,84.7 U13.8@84.095,84.7
NetC29_1: C29.1 U13.5 | length 3.2
  Top Copper w0.2: U13.5@87.905,84.7 87.905,86.042 cw(c88.863,86.042) 88.051,86.551 cw(c88.863,86.042) 88.354,86.854 cw(c88.863,86.042) 88.863,87 C29.1@89.225,87
NetC29_2: C29.2 R11.1 T2.5 | length 4.2
  Top Copper w0.2: C29.2@90.775,87 92.58,87 T2.5@92.63,86.95 92.63,87.705 cw(c93.425,87.705) 92.75,88.125 cw(c93.425,87.705) 93.005,88.38 cw(c93.425,87.705) 93.425,88.5 R11.1@93.725,88.5
NetC30_2: C30.2 U14.1 | length 4.3
  Top Copper w0.2: C30.2@120.775,37.9 121.9,37.9 ccw(c121.9,38.6) 122.6,38.6 U14.1@122.6,40.7
NetC31_1: C31.1 L11.2 U14.3 | length 6.7
  Top Copper w0.2: U14.3@122.6,43.7 122.6,46.943 L11.2@122.657,47 122.657,50.268 C31.1@122.6,50.325
NetC31_2: C31.2 U15.1 | length 2.1
  Top Copper w0.2: C31.2@122.6,51.875 U15.1@122.6,54